# Allegro board pc069b_toplevel_18.brd (continued)
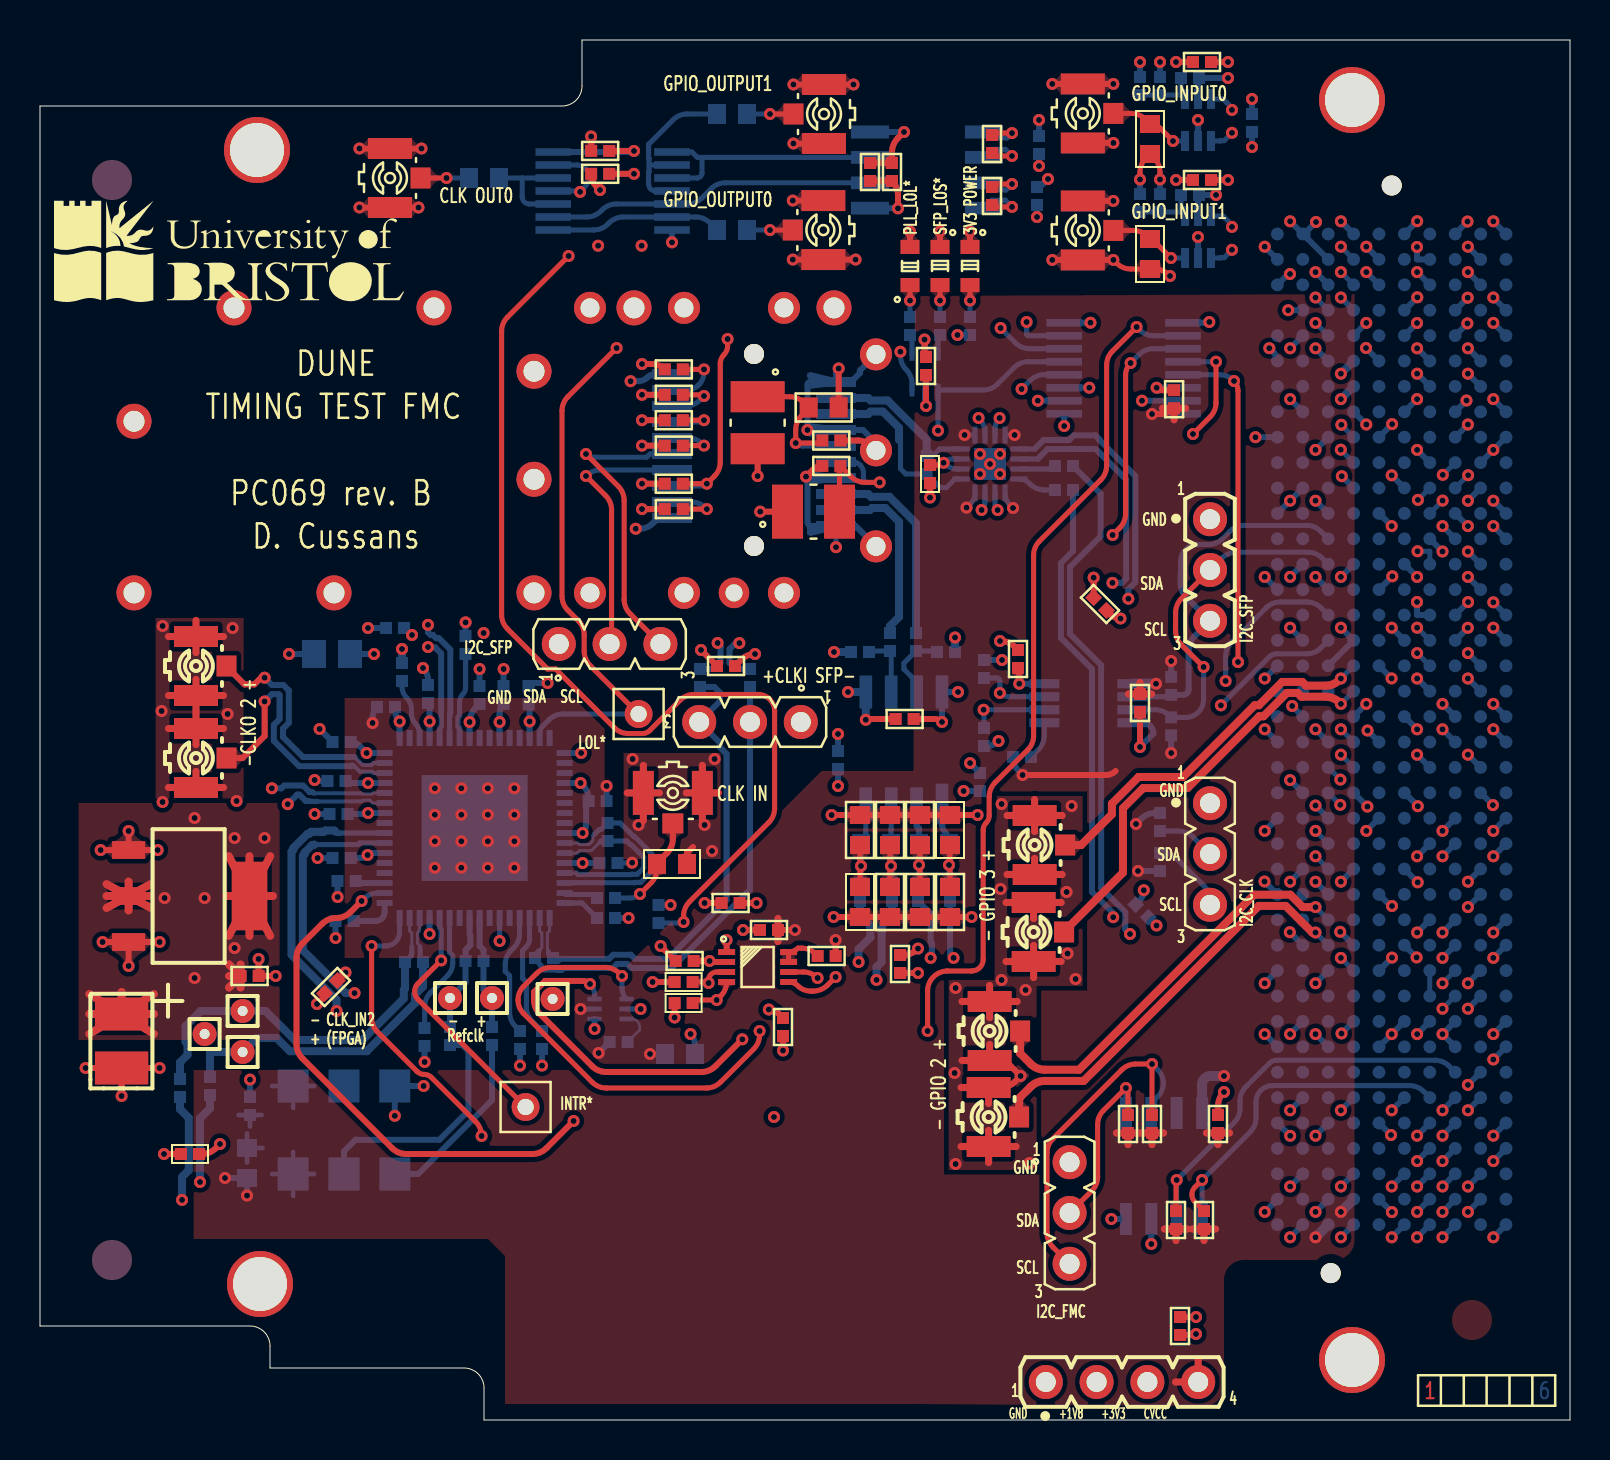
[diagram p0: board, top side]
## Footprints (pads in the part's own frame, mm; a bottom-side part is the same pattern mirrored in y, then rotated) (continued)
  round 0 smd: K4(20.955,-5.715)
SC70_6L
  rect 0.254x0.635 smd: 1(0,0) 2(0.65,0) 3(1.3,0) 4(1.3,1.78) 5(0.65,1.78) 6(0,1.78)
SOIC8
  rect 0.635x2.032 smd: 1(0,0)
  rect 0.635x1.651 smd: 2(1.27,0) 3(2.54,0) 4(3.81,0) 5(3.81,5.6) 6(2.54,5.6) 7(1.27,5.6) 8(0,5.6)
SOIC8S_127
  rect 0.635x1.905 smd: 1(0,0) 2(1.27,0) 3(2.54,0) 4(3.81,0) 5(3.81,5.7) 6(2.54,5.7) 7(1.27,5.7) 8(0,5.7)
SOIC127P600X175-8N
  rect 1.6x0.6 smd: 1(-2.65,1.905) 2(-2.65,0.635) 3(-2.65,-0.635) 4(-2.65,-1.905) 5(2.65,-1.905) 6(2.65,-0.635) 7(2.65,0.635) 8(2.65,1.905)
SOP50P310X90-8N
  rect 0.85x0.3 smd: 1(-1.55,0.75) 2(-1.55,0.25) 3(-1.55,-0.25) 4(-1.55,-0.75) 5(1.55,-0.75) 6(1.55,-0.25) 7(1.55,0.25) 8(1.55,0.75)
SOP65P210X110-6N
  rect 1x0.4 smd: 1(-1.05,0.65) 2(-1.05,0) 3(-1.05,-0.65) 4(1.05,-0.65) 5(1.05,0) 6(1.05,0.65)
SOP65P490X110-8N
  rect 1.5x0.45 smd: 1(-2.2,0.975) 2(-2.2,0.325) 3(-2.2,-0.325) 4(-2.2,-0.975) 5(2.2,-0.975) 6(2.2,-0.325) 7(2.2,0.325) 8(2.2,0.975)
SOT223
  rect 0.889x1.651 smd: 1(4.597,0) 2(2.299,0) 3(0,0)
  rect 3.429x1.778 smd: 4(2.299,-6.045)
SOT_DRL_TEX
  rect 0.711x0.229 smd: 1(-0.8,0.5) 2(-0.8,0) 3(-0.8,-0.5) 4(0.8,-0.5) 5(0.8,0) 6(0.8,0.5)
TP_HOLE_05
  round 1.2 hole 0.5: 1(0,0)
TP_HOLE_08
  round 1.397 hole 0.813: 1(0,0)
TSSOP14MA_065
  rect 0.381x1.778 smd: 1(0,0) 2(0.65,0) 3(1.3,0) 4(1.95,0) 5(2.6,0) 6(3.25,0) 7(3.9,0) 8(3.9,5.94) 9(3.25,5.94) 10(2.6,5.94) 11(1.95,5.94) 12(1.3,5.94) 13(0.65,5.94) 14(0,5.94)
TSSOP16MA_065
  rect 0.381x1.778 smd: 1(0,0) 2(0.65,0) 3(1.3,0) 4(1.95,0) 5(2.6,0) 6(3.25,0) 7(3.9,0) 8(4.55,0) 9(4.55,5.94) 10(3.9,5.94) 11(3.25,5.94) 12(2.6,5.94) 13(1.95,5.94) 14(1.3,5.94) 15(0.65,5.94) 16(0,5.94)
TYCO_1888247-1
  round 1 hole 1.4 unplated: (0,-4.8) (0,4.8)
  rect 2x0.5 smd: 1(-4.1,3.4) 2(-4.1,2.6) 3(-4.1,1.8) 4(-4.1,1) 5(-4.1,0.2) 6(-4.1,-0.6) 7(-4.1,-1.4) 8(-4.1,-2.2) 9(-4.1,-3) 10(-4.1,-3.8) 11(4.1,-3.4) 12(4.1,-2.6) 13(4.1,-1.8) 14(4.1,-1) 15(4.1,-0.2) 16(4.1,0.6) 17(4.1,1.4) 18(4.1,2.2) 19(4.1,3) 20(4.1,3.8)
unnamed#2
  round 3.302 hole 2.7: (0,0)

## Nets
AVDD: C10.2(B<0>) L3.2(B<0>) QZ1.1 QZ1.6
GND: C3.2(B<0>) C4.2(B<0>) C5.2(B<0>) C6.2(B<0>) C9.1 C10.1 C11.1 C12.2(B<0>) C13.1 C14.1 C15.1 C16.1 C17.1 C18.1 C19.1 C20.1 C26.1 C29.1 C30.1 C31.1 C32.1 C33.1 C34.1 C35.1 C36.1 C37.1 C40.1 C41.1 C42.1 C45.1 C46.1 C47.1 C48.1 C49.1 C52.1 C53.1 C55.2(B<0>) C56.2(B<0>) C57.1 C58.1 C59.1 C60.1 C61.1 C62.1 C63.1 C64.1 C69.1 C70.1 C71.1 C72.1 C107.1 C117.1 IC1.1 IC2.3 IC2.4(VSS) IC3.65 IC4.6 IC4.7 IC4.14 IC4.15 IC4.17 IC6.2(VEE) IC7.2(VEE) IC8.5 IC9.7 IC10.3 IC10.8 IC10.9 IC10.14 IC10.15 IC11.2 IC11.4 IC15.4 IC18.2 J2.2 J2.3 J3.1 J4.1 J4.10 J4.11 J4.14 J4.17 J4.20(VEET3) J5.1 J6.1 J7.2 J7.3 J8.1 J10.1 J11.1 J12.2 J12.3 J13.2 J13.3 J14.2 J14.3 J15.2 J15.3 LD2.2(B) LD3.2(B) P1.A1 P1.A4 P1.A5 P1.A8 P1.A9 P1.A12 P1.A13 P1.A16 P1.A17 P1.A20 P1.A21 P1.A24 P1.A25 P1.A28 P1.A29 P1.A32 P1.A33 P1.A36 P1.A37 P1.A40 P1.B2 P1.B3 P1.B6 P1.B7 P1.B10 P1.B11 P1.B14 P1.B15 P1.B18 P1.B19 P1.B22 P1.B23 P1.B26 P1.B27 P1.B30 P1.B31 P1.B34 P1.B35 P1.B38 P1.B39 P1.C1 P1.C4 P1.C5 P1.C8 P1.C9 P1.C12 P1.C13 P1.C16 P1.C17 P1.C20 P1.C21 P1.C24 P1.C25 P1.C28 P1.C29 P1.C32 P1.C33 P1.C36 P1.C38 P1.C40 P1.D2 P1.D3 P1.D6 P1.D7 P1.D10 P1.D13 P1.D16 P1.D19 P1.D22 P1.D25 P1.D28 P1.D37 P1.D39 P1.E1 P1.E4 P1.E5 P1.E8 P1.E11 P1.E14 P1.E17 P1.E20 P1.E23 P1.E26 P1.E29 P1.E32 P1.E35 P1.E38 P1.E40 P1.F2 P1.F3 P1.F6 P1.F9 P1.F12 P1.F15 P1.F18 P1.F21 P1.F24 P1.F27 P1.F30 P1.F33 P1.F36 P1.F39 P1.G1 P1.G4 P1.G5 P1.G8 P1.G11 P1.G14 P1.G17 P1.G20 P1.G23 P1.G26 P1.G29 P1.G32 P1.G35 P1.G38 P1.G40 P1.H2 P1.H3 P1.H6 P1.H9 P1.H12 P1.H15 P1.H18 P1.H21 P1.H24 P1.H27 P1.H30 P1.H33 P1.H36 P1.H39 P1.J1 P1.J4 P1.J5 P1.J8 P1.J11 P1.J14 P1.J17 P1.J20 P1.J23 P1.J26 P1.J29 P1.J32 P1.J35 P1.J38 P1.J40 P1.K2 P1.K3 P1.K6 P1.K9(K<9>) P1.K12 P1.K15 P1.K18 P1.K21 P1.K24 P1.K27 P1.K30 P1.K33 P1.K36 P1.K39 PX1.2 PX1.3 PX2.2 PX2.3 PX3.2 PX3.3 PX4.2 PX4.3 PX5.2 PX5.3 PX6.2 PX6.3 QZ1.3 R5.1 R6.1 R10.2(B<0>) R12.1 R17.1 R19.1 R20.2(B<0>) R21.2(B<0>) R27.1 R30.1 R31.1 R36.1 R38.1 R52.1 R54.1 R57.1 REG1.1 SFP1.1 SFP1.2 SFP1.3 SFP1.4 SFP1.5 SFP1.6 SFP1.7 SFP1.8 SFP1.9 SFP1.10 SFP1.11 SFP1.12 SFP1.13 SFP1.14 SFP1.15 SFP1.16 SFP1.17 SFP1.18 SFP1.19 SFP1.20 TP3.1(A<0>) TP6.1(A<0>) U1.5(VEE)
P1V8: C12.1 C13.2(B<0>) C14.2(B<0>) C19.2(B<0>) C20.2(B<0>) C117.2(B<0>) IC1.2 IC3.32 IC3.46 IC3.60 J11.2 R13.2(B<0>) R16.2(B<0>) R40.1 R41.1 REG1.2(OUT) REG1.4
P3V3: C3.1 C4.1 C5.1 C6.1 C9.2(B<0>) C15.2(B<0>) C29.2(B<0>) C30.2(B<0>) C31.2(B<0>) C32.2(B<0>) C33.2(B<0>) C34.2(B<0>) C35.2(B<0>) C36.2(B<0>) C37.2(B<0>) C40.2(B<0>) C41.2(B<0>) C45.2(B<0>) C46.2(B<0>) C47.2(B<0>) C48.2(B<0>) C49.2(B<0>) C55.1 C56.1 C57.2(B<0>) C58.2(B<0>) C59.2(B<0>) C60.2(B<0>) C69.2(B<0>) C70.2(B<0>) C71.2(B<0>) C72.2(B<0>) C107.2(B<0>) IC3.13 IC3.22 IC3.26 IC3.29 IC3.33 IC3.36 IC3.40 IC3.43 IC3.49 IC3.52 IC3.57 IC6.5 IC7.5 IC8.8 IC9.14 IC10.1 IC10.2 IC15.8(VCCB) IC18.5 J11.3 L1.2(B<0>) L2.1 LD1.1 P1.C39 P1.D36 P1.D38 P1.D40 R4.2(B<0>) R22.1 R23.1 R24.2(B<0>) R25.2(B<0>) R28.1 R29.1 R34.2(B<0>) R35.2(B<0>) R37.2(B<0>) R53.2(B<0>) R55.2(B<0>) R56.2(B<0>) R140.1 R411.1 REG1.3 U1.8
P12V: P1.C35 P1.C37
C2M_SFP_DATA_N: C8.1 P1.G22
C2M_SFP_DATA_P: C1.1 P1.G21
CLK0_C2M_N: C28.1 P1.G7
CLK0_C2M_P: C22.1 P1.G6
CLK0_M2C_N: IC3.27 P1.H5
CLK0_M2C_P: IC3.28 P1.H4
CLK1_M2C_N: IC3.37 P1.G3
CLK1_M2C_P: IC3.38 P1.G2
CLK_I2C_SEL: IC3.39 R13.1
CLK_IN0_N: C26.2(B<0>) IC3.64
CLK_IN0_P: C23.2(B<0>) IC3.63
CLK_IN1_N: C27.2(B<0>) IC3.2 J3.2 R11.1
CLK_IN1_P: C24.2(B<0>) IC3.1 J3.3(A<2>) R11.2(B<0>)
CLK_IN2_N: C28.2(B<0>) IC3.15 R8.2(B<0>) TP5.1(A<0>)
CLK_IN2_P: C22.2(B<0>) IC3.14 R8.1 TP4.1(A<0>)
CLK_OE*: IC3.11 R10.1
CLK_RSTB: IC3.6 IC10.7 R16.1
CLK_SCL: IC1.3 IC3.16 R41.2(B<0>)
CLK_SDA: IC1.4 IC3.18 R40.2(B<0>)
CTRLVCC: P1.D32
CVCC: C16.2(B<0>) C17.2(B<0>) C18.2(B<0>) C42.2(B<0>) C61.2(B<0>) IC2.8 IC4.5 IC4.8 IC4.13 IC4.16 IC10.16 IC11.5(V+) IC15.1 J11.4(A<3>) L3.1 P1.G39 P1.H40 R1.2(B<0>) R39.2(B<0>) R42.2(B<0>) R43.2(B<0>) R61.2(B<0>) R103.2(B<0>) R138.2(B<0>) R142.2(B<0>) R143.2(B<0>) R242.2(B<0>) R1328.2(B<0>)
F_GPIO_OUT0_N: IC8.4 P1.G10 R45.1
F_GPIO_OUT0_P: IC8.3 P1.G9 R45.2(B<0>)
F_GPIO_OUT1_N: IC8.1 P1.H23 R46.1
F_GPIO_OUT1_P: IC8.2 P1.H22 R46.2(B<0>)
F_SFP_N: IC4.4 J4.12 R60.1
F_SFP_P: IC4.1 J4.13 R60.2(B<0>)
FMC_GA0: IC2.2 P1.C34 R138.1
FMC_GA1: IC2.1 P1.D35 R1328.1
FMC_SCL: IC2.6 IC11.1 J6.3(A<2>) P1.C30 R103.1
FMC_SDA: IC2.5 IC11.6 J6.2 P1.C31 R39.1
FPGA_CLK_RST: IC10.10 P1.G30
FPGA_CLK_SCL: IC1.6 J8.3(A<2>) P1.H16 R43.1
FPGA_CLK_SDA: IC1.5 J8.2 P1.H17 R242.1
FPGA_SFP_LOS: IC10.12 P1.D14
FPGA_SFP_SCL: IC15.2 J10.3(A<2>) P1.H13 R143.1
FPGA_SFP_SDA: IC15.3 J10.2 P1.H14 R142.1
FPGA_SFP_TX_DIS: IC10.11 P1.D17
FPGA_SFP_TX_FLT: IC10.13(1B<0>) P1.D18
GPIO_IN0_N: IC6.6 P1.C11
GPIO_IN0_P: IC6.1 P1.C10
GPIO_IN1_N: IC7.6 P1.D12
GPIO_IN1_P: IC7.1 P1.D11
GPIO_IO2_N: J7.1(A) P1.H29
GPIO_IO2_P: J2.1(A) P1.H28
GPIO_IO3_N: J15.1(A) P1.G19
GPIO_IO3_P: J14.1(A) P1.G18
IN_SEL0: IC3.3 R17.2(B<0>)
IN_SEL1: IC3.4 R19.2(B<0>)
M2C_SFP_DATA_N: P1.H26 R59.2(B<0>)
M2C_SFP_DATA_P: P1.H25 R58.2(B<0>)
OSC_CLK_N: C25.2(B<0>) IC3.9(XB) R7.2(B<0>) TP2.1(A<0>)
OSC_CLK_P: C21.2(B<0>) IC3.8 R7.1 TP1.1(A<0>)
PLL_INTR*: IC3.12 TP9.1(A<0>)
PLL_LOL*: IC3.47 IC18.3 TP10.1(A<0>)
PLL_ZDM_CLK_N: IC3.58 IC3.62 R18.1
PLL_ZDM_CLK_P: IC3.59 IC3.61 R18.2(B<0>)
S_CLK_IN: C23.1 PX1.1(A) R27.2(B<0>)
S_GPIO_IN0: IC6.3 PX2.1(A) R30.2(B<0>)
S_GPIO_IN1: IC7.3 PX3.1(A) R31.2(B<0>)
SFP2PLL_DATA_N: C27.1 IC4.9
SFP2PLL_DATA_P: C24.1 IC4.10
SFP_LOS: IC10.5 IC18.1 J4.8 R23.2(B<0>)
SFP_SCL: IC15.7 J4.5 J5.3(A<2>) R411.2(B<0>)
SFP_SDA: IC15.6 J4.4 J5.2 R140.2(B<0>)
SFP_TX_DISABLE: IC10.6 J4.3 R28.2(B<0>)
SFP_TX_FAULT: IC10.4 J4.2 R29.2(B<0>)
T_DIFF_UFL_CLK_N: IC3.30 J13.1(A)
T_DIFF_UFL_CLK_P: IC3.31 J12.1(A)
T_FFD_CLK_N: C38.1 IC3.23
T_FFD_CLK_P: C7.1 IC3.24
T_MCX_CLK0: IC9.11 IC9.13 R26.2(B<0>)
T_SFP_N: C2.2(B<0>) J4.19
T_SFP_P: C39.2(B<0>) J4.18
UNNAMED_2_CON400P40ABCDEFGHJK_I: P1.D30 P1.D31
UNNAMED_2_PCA9306_I276_EN: IC1.7(VREF2) IC1.8 R1.1
UNNAMED_2_PCA9517_I162_EN: IC15.5 R42.1
UNNAMED_2_RSMD0402_I314_A: IC11.3 R61.1
UNNAMED_3_CAPCERSMDCL2_I325_B: C1.2(B<0>) R2.1 R4.1 R12.2(B<0>) U1.1
UNNAMED_3_CAPCERSMDCL2_I331_A: C2.1 R5.2(B<0>) U1.6
UNNAMED_3_CAPCERSMDCL2_I332_A: C39.1 R6.2(B<0>) U1.7
UNNAMED_3_CAPCERSMDCL2_I337_B: C8.2(B<0>) R2.2(B<0>) R53.1 R54.2(B<0>) U1.2
UNNAMED_3_CAPCERSMDCL2_I346_B: C38.2(B<0>) R3.1 R55.1 R57.2(B<0>) U1.4
UNNAMED_3_CAPCERSMDCL2_I349_B: C7.2(B<0>) R3.2(B<0>) R34.1 R52.2(B<0>) U1.3
UNNAMED_4_CAPCERSMDCL2_I119_A: C21.1 QZ1.4(OUTP)
UNNAMED_4_CAPCERSMDCL2_I120_A: C25.1 QZ1.5
UNNAMED_4_RSMD0402_I49_A: IC3.17 R20.1
UNNAMED_4_RSMD0402_I50_A: IC3.19 R21.1
UNNAMED_4_RSMD0402_I123_A: IC3.35 R26.1
UNNAMED_5_74LCX04_I304_Y: IC9.10 IC9.12 R47.1
UNNAMED_5_74LCX04_I317_A: IC8.7(RO<0>) IC9.1 IC9.3
UNNAMED_5_74LCX04_I317_Y: IC9.2(Y*<0>) IC9.4 R49.1
UNNAMED_5_74LCX04_I323_A: IC8.6 IC9.5 IC9.9
UNNAMED_5_74LCX04_I323_Y: IC9.6 IC9.8 R48.1
UNNAMED_5_ADCMP604_I285_: C52.2(B<0>) IC6.4 R35.1 R36.2(B<0>)
UNNAMED_5_ADCMP604_I294_: C53.2(B<0>) IC7.4 R37.1 R38.2(B<0>)
UNNAMED_5_PCOAX_I312_A: PX4.1(A) R47.2(B<0>)
UNNAMED_5_PCOAX_I315_A: PX6.1(A) R49.2(B<0>)
UNNAMED_5_PCOAX_I321_A: PX5.1(A) R48.2(B<0>)
UNNAMED_11_CAPCERSMDCL2_I338_B: C11.2(B<0>) IC4.2(VT) IC4.3
UNNAMED_11_CON20PSFP_I175_MODDE: J4.6 R25.1
UNNAMED_11_CON20PSFP_I175_RATES: J4.7 R24.1
UNNAMED_11_CON20PSFP_I175_VCCR: C63.2(B<0>) C64.2(B<0>) J4.15 L1.1
UNNAMED_11_CON20PSFP_I175_VCCT: C62.2(B<0>) J4.16 L2.2(B<0>)
UNNAMED_11_CON20PSFP_I175_VEER: J4.9 R22.2(B<0>)
UNNAMED_11_LED1_I225_B: LD1.2(B) R50.1
UNNAMED_11_LED1_I226_A: LD2.1 R51.1
UNNAMED_11_LED1_I227_A: LD3.1 R56.1
UNNAMED_11_RSMD0402_I232_B: IC18.4(Y<0>) R50.2(B<0>)
UNNAMED_11_RSMD0402_I233_B: IC18.6 R51.2(B<0>)
UNNAMED_11_RSMD0402_I312_A: IC4.12 R58.1
UNNAMED_11_RSMD0402_I313_A: IC4.11 R59.1

Pads without a net: IC2 7; IC3 5 7 10 20 21 25 34 41 42 44 45 48 50 51 53 54 55 56; P1 A2 A3 A6 A7 A10 A11 A14 A15 A18 A19 A22 A23 A26 A27 A30 A31 A34 A35 A38 A39 B1 B4 B5 B8 B9 B12 B13 B16 B17 B20 B21 B24 B25 B28 B29 B32 B33 B36 B37 B40 C2 C3 C6 C7 C14 C15 C18 C19 C22 C23 C26 C27 D1 D4 D5 D8 D9 D15 D20 D21 D23 D24 D26 D27 D29 D33 D34 E2 E3 E6 E7 E9 E10 E12 E13 E15 E16 E18 E19 E21 E22 E24 E25 E27 E28 E30 E31 E33 E34 E36 E37 E39 F1 F4 F5 F7 F8 F10 F11 F13 F14 F16 F17 F19 F20 F22 F23 F25 F26 F28 F29 F31 F32 F34 F35 F37 F38 F40 G12 G13 G15 G16 G24 G25 G27 G28 G31 G33 G34 G36 G37 H1 H7 H8 H10 H11 H19 H20 H31 H32 H34 H35 H37 H38 J2 J3 J6 J7 J9 J10 J12 J13 J15 J16 J18 J19 J21 J22 J24 J25 J27 J28 J30 J31 J33 J34 J36 J37 J39 K1 K4 K5 K7 K8 K10 K11 K13 K14 K16 K17 K19 K20 K22 K23 K25 K26 K28 K29 K31 K32 K34 K35 K37 K38 K40; QZ1 2; SFP1 NC

## Via types
v1: diameter 0.6, hole 0.3, TOP to BOTTOM, 535 vias

## Routing (per net, layer and track width the routed paths; a pad name or vN(x,y) marks a point on that pad's centre or on a via; arc(x,y) is an arc through that point)
AVDD: length 11.5
  BOTTOM w0.227: 10.35,12.87 L3.2 ; L3.2 11.13,13.6 ; L3.2 10.35,14.33 ; 12.66,11.2 QZ1.6 ; QZ1.6 12.66,13.4 ; QZ1.6 11.61,12.3 ; QZ1.6 13.71,12.3 ; 12.66,15.6 QZ1.1 ; QZ1.1 11.61,16.7 ; QZ1.1 13.71,16.7 ; C10.2 11.08,15.25 ; C10.2 10.5,14.67 ; C10.2 9.92,15.25
GND: length 372
  TOP w0.25: v1(56.5,57.2) 56.44,57.26 arc(56.12,57.47) 55.74,57.55 R31.1 54.54,57.55 arc(54.15,57.63) 53.83,57.84 v1(53.67,58) ; v1(55,62.03) 55,62.39 arc(55.08,62.77) 55.29,63.09 R30.1 55.71,63.09 arc(55.92,62.77) 56,62.39 v1(56,62.03)
  TOP w0.3: R27.1 32.35,28.35 32.65,28.65 ; v1(38.3,47.17) 38.64,47.51 arc(38.86,47.65) C62.1 ; C58.1 C57.1 42.61,61.94 arc(42.82,61.62) 42.9,61.24 v1(42.9,60.58) ; REG1.1 v1(4.43,29.45) ; REG1.1 v1(3.03,28.5) ; REG1.1 v1(5.88,28.5) ; v1(28,61.5) 27.82,61.68 arc(27.63,61.97) C60.1 ; C72.1 14.23,21.18 v1(13.85,20.8) ; v1(37.67,66.78) PX6.3 v1(40.67,66.78) ; v1(50.61,66.8) PX2.2 v1(53.67,66.8) ; v1(15.97,60.62) PX4.3 v1(18.92,60.62) ; C56.2 v1(56.8,62) ; C17.1 v1(35.15,24.5) ; v1(10.93,23.05) C14.1 v1(11.78,22.2) ; C18.1 58.9,15.69 arc(58.98,16.07) 59.19,16.39 v1(59.2,16.4) ; PX2.3 v1(53.67,63.85) ; C63.1 40.89,48.97 arc(41.28,48.9) 41.6,48.68 SFP1.19 ; v1(40.78,58.02) PX5.2 v1(37.64,58.02) ; C11.1 v1(44.5,46.12) ; v1(48,38.95) 48.04,38.95 arc(48.42,38.87) 48.74,38.66 C107.1 ; v1(46.5,59.43) LD3.2 ; C30.1 v1(43.9,22.35) ; C6.2 v1(6.2,13.3) ; v1(55.83,51.62) 55.96,51.49 C61.1 ; v1(45,59.43) LD2.2 ; v1(44.3,50.7) C15.1 ; PX5.3 v1(37.64,60.97) ; v1(37.67,63.83) PX6.2 ; C37.1 36.93,20.32 arc(36.7,20.47) v1(36.44,20.52) ; v1(41.29,35.01) 41.33,35.05 C5.2 ; v1(39.68,25.15) R57.1 R52.1 R54.1 R12.1 v1(46.58,25.15) ; IC1.1 v1(34.33,24) ; C70.1 v1(33.23,25.85) ; C12.2 v1(4.08,16.2) ; C12.2 v1(2.28,17.6) ; C12.2 v1(5.98,17.6) ; v1(55,33.65) C16.1 ; v1(53.67,58) PX3.3 v1(50.61,58) ; v1(15.97,63.58) PX4.2 v1(19.07,63.58) ; C64.1 v1(39.93,52.58) ; C117.1 v1(31.03,23.7) ; v1(57.8,5.15) C9.1 ; C69.1 v1(33.05,38.5) ; PX3.2 v1(53.67,60.95) ; C55.2 v1(56.8,67.9) ; C59.1 v1(27.56,64.18) ; J7.2 48.04,16.62 arc(48.42,16.7) 48.75,16.92 v1(49.03,17.2) 48.55,17.68 arc(48.22,17.9) 47.84,17.98 J2.3 ; C29.1 53.51,40.29 arc(53.75,40.13) v1(54.03,40.07)
  TOP w0.354: 46.1,17.98 J2.3 47.48,18.78 ; 46.1,20.93 J2.2 ; J2.2 47.48,21.73 ; J2.2 48.86,20.93 ; J2.2 47.48,20.12 ; 7.8,38.37 J12.2 ; J12.2 6.42,39.17 ; J12.2 7.8,39.98 ; J12.2 9.18,39.17 ; 7.8,35.42 J12.3 ; J12.3 6.42,36.23 ; J12.3 9.18,36.23 ; J12.3 7.8,37.03 ; 33.12,29.98 PX1.2 ; PX1.2 32.31,31.36 ; PX1.2 33.12,32.73 ; PX1.2 33.92,31.36 ; 47.43,12.87 J7.3 ; J7.3 46.05,13.68 ; J7.3 48.81,13.68 ; J7.3 47.43,14.48 ; 49.68,25.07 J15.2 ; J15.2 48.3,25.88 ; J15.2 51.06,25.88 ; 7.8,33.77 J13.2 ; J13.2 9.18,34.58 ; J13.2 6.42,34.58 ; J13.2 7.8,35.38 ; PX1.3 30.97,31.36 ; PX1.3 30.17,29.98 ; PX1.3 30.17,32.73 ; PX1.3 29.36,31.36 ; 48.35,30.23 J14.2 ; J14.2 49.73,29.42 ; J14.2 49.73,31.03 ; J14.2 51.11,30.23 ; 46.05,16.62 J7.2 47.43,15.82 ; J13.3 9.18,31.62 ; J13.3 7.8,32.43 ; J13.3 6.42,31.62 ; 48.35,27.27 J14.3 ; J14.3 49.73,28.08 ; J14.3 51.11,27.27 ; 48.3,22.93 J15.3 ; J15.3 49.68,22.12 ; J15.3 49.68,23.73 ; J15.3 51.06,22.93
  BOTTOM w0.25: v1(29.61,27.86) 29.59,27.85 C13.1
  BOTTOM w0.254: IC11.2 v1(30.03,20.55) ; IC4.6 47.25,49.37 arc(47.17,49.75) 46.96,50.07 ; v1(47.88,45.5) 47.75,45.63 IC4.14 ; IC4.7 47.75,49.54 arc(47.81,49.85) v1(47.98,50.1) ; J4.20 v1(39.8,43.64) ; IC4.15 47.25,45.91 arc(47.21,45.69) v1(47.08,45.5)
  BOTTOM w0.3: P1.C33 v1(70.12,19.3) P1.C32 ; v1(67.6,25.7) 67.53,25.7 P1.F27 ; P1.H27 v1(63.77,26.91) ; P1.H30 v1(63.77,21.84) ; P1.G8 v1(66.31,49.77) ; R20.2 v1(14.78,24.1) ; C42.1 32.75,18.76 arc(32.69,19.05) v1(32.53,19.3) ; P1.F15 v1(67.61,42.19) ; P1.E35 v1(67.58,15.48) ; P1.G23 v1(66.37,30.67) ; IC2.3 v1(55.56,8.8) ; P1.C40 v1(70.12,9.13) ; P1.H3 v1(63.77,57.4) ; P1.C21 v1(70.12,34.53) ; P1.K36 v1(62.51,14.21) ; P1.B27 v1(71.39,25.64) ; R17.1 v1(25.1,17.72) ; v1(61.47,53.59) 61.7,53.36 arc(61.83,53.17) P1.K6 ; P1.E38 v1(67.58,11.68) ; J4.11 39.8,52.44 v1(39.93,52.58) ; J4.11 38.5,51.9 arc(38.41,51.86) 38.37,51.78 v1(38.37,49.5) J4.14 41.15,49.5 41.8,48.85 SFP1.19 ; J4.11 40.55,51.9 41,52.35 41,52.48 41.8,53.28 ; P1.A32 v1(72.66,19.3) ; P1.D7 v1(68.85,52.31) ; P1.J17 v1(62.5,39.62) ; P1.E23 v1(68.89,30.69) ; P1.B3 v1(71.39,57.4) ; v1(44.3,50.7) 44.25,50.75 IC18.2 ; P1.F24 v1(66.31,29.45) ; v1(65.04,39.62) P1.G17 P1.H18 ; R36.1 v1(55,67.9) ; P1.F2 v1(66.31,58.66) ; P1.B26 v1(71.39,26.91) ; v1(71.38,59.92) 70.75,59.3 P1.C1 ; IC7.2 v1(57.9,59.15) ; C41.1 v1(16.4,39.6) ; P1.J14 v1(62.5,42.16) ; P1.F39 v1(67.59,10.39) ; P1.E20 v1(68.85,34.53) ; 57.15,51.62 v1(55.83,51.62) ; P1.A5 v1(72.66,54.85) ; P1.A20 v1(72.66,35.8) ; P1.C20 v1(70.12,35.8) ; P1.B23 v1(72.64,30.75) ; v1(71.39,49.77) P1.C9 ; P1.G11 v1(65.09,47.19) ; P1.H12 v1(63.77,45.97) ; P1.E40 v1(67.58,9.13) ; R19.1 v1(24,17.72) ; P1.A29 v1(72.66,23.11) ; J4.10 30.79,52.3 arc(30.55,52.25) 30.35,52.12 arc(30.16,51.99) 29.92,51.94 v1(29.53,51.94) ; P1.C17 v1(71.39,39.61) ; P1.E1 v1(68.86,59.94) ; P1.B7 v1(71.39,52.31) ; v1(62.5,57.3) 62.41,57.3 P1.K3 ; P1.C4 v1(71.38,56.12) ; v1(50.4,62.05) 50,61.65 C34.1 ; IC15.4 55.14,34.86 arc(55.51,34.71) 55.67,34.33 55.67,34.32 v1(55,33.65) ; P1.H39 v1(63.77,10.41) ; P1.H6 v1(63.77,53.59) ; J4.1 31.28,45.1 arc(30.93,45.03) 30.63,44.83 arc(30.33,44.63) 29.98,44.56 v1(29.79,44.56) ; P1.K24 v1(61.23,29.45) ; P1.G20 v1(66.31,35.8) ; C49.1 v1(13.88,28.1) ; v1(58.46,54.9) 58.43,54.87 IC10.9 ; P1.B10 v1(72.66,48.51) P1.A9 ; P1.B18 v1(71.39,38.34) ; C35.1 v1(12.45,38.3) ; P1.B38 v1(71.39,11.68) ; P1.D16 68.87,40.25 arc(68.85,40.25) 68.85,40.27 v1(68.85,40.9) ; P1.K27 v1(61.22,26.93) ; IC8.5 42.89,60.59 v1(42.9,60.58) ; C47.1 v1(28.33,31.7) ; P1.H36 v1(63.77,14.21) ; C33.1 v1(49.95,62.7) ; P1.D13 v1(70.12,43.42) ; P1.E14 v1(68.85,42.16) ; P1.G5 v1(66.31,54.85) ; P1.D6 v1(68.85,53.59) ; P1.B31 v1(71.39,20.57) ; C20.1 v1(13.98,34.55) ; P1.D2 68.87,58.03 arc(68.85,58.03) 68.85,58.05 v1(68.85,58.65) ; P1.J4 v1(62.41,55.49) ; P1.H9 v1(63.77,48.51) ; P1.A1 v1(72.66,59.94) ; P1.A33 v1(72.66,18.02) ; v1(13.73,32) 13.78,31.95 C46.1 ; v1(68.83,23.13) P1.E29 ; P1.F9 v1(67.6,49.8) ; C32.1 v1(21.98,37.55) ; P1.C13 v1(70.12,44.7) ; P1.B11 v1(71.39,45.97) ; J4.17 38.44,47.1 38.38,47.04 ; P1.B15 v1(71.39,42.16) ; P1.J23 v1(62.5,32) ; P1.G32 v1(65.07,19.32) ; P1.D37 v1(68.85,12.95) ; v1(17.74,15.21) QZ1.3 v1(19.18,16.7) ; C3.2 v1(46.18,31.45) ; P1.K33 v1(61.23,19.3) ; P1.A21 v1(72.66,34.53) ; 41.8,43.68 40.78,44.7 J4.20 38.55,44.7 arc(38.43,44.75) 38.38,44.87 38.38,47.04 ; 38.38,47.04 38.3,47.12 v1(38.3,47.17) ; IC2.4 v1(53.57,10.05) ; C53.1 v1(56,62.03) ; P1.K2 v1(61.23,58.66) ; P1.G29 v1(65.01,24.41) ; P1.H33 v1(63.77,19.3) ; v1(72.66,44.7) P1.A13 ; P1.G38 v1(65.04,11.68) ; P1.G35 v1(65.04,15.48) ; P1.K30 v1(61.23,21.84) ; P1.J32 v1(62.5,19.3) ; IC10.15 v1(55.1,50.97) ; P1.D22 v1(68.85,33.27) ; C4.2 v1(39.9,31.7) ; P1.A12 v1(72.66,45.97) ; P1.J5 v1(62.5,53.59) ; P1.A37 v1(72.66,12.95) ; P1.C38 v1(70.12,11.68) ; C10.1 v1(10.5,17.02) ; P1.J8 v1(62.5,51.05) ; P1.G26 v1(65.04,26.91) ; C52.1 v1(56,67.9) ; P1.D19 v1(68.85,37.08) ; P1.J20 v1(62.61,35.7) ; P1.G4 v1(65.04,56.12) ; IC11.4 v1(27.73,19.55) ; P1.F12 v1(67.58,44.7) ; P1.K12 v1(62.5,45.97) P1.J11 ; P1.H2 63.37,59.07 63.37,59.47 v1(63.8,59.9) ; P1.G1 v1(65.04,59.94) ; P1.J40 v1(62.5,9.13) ; P1.E5 v1(68.85,54.85) ; P1.G40 v1(65.04,9.13) ; P1.K21 v1(61.23,34.53) ; P1.F3 v1(66.31,57.4) ; v1(31.6,58.88) IC9.7 ; P1.K9 v1(60.77,49.14) ; C71.1 54.97,25.95 arc(55.13,26.2) v1(55.19,26.49) ; C40.1 19.4,37 arc(19.34,37.32) v1(19.15,37.6) ; 46.96,50.07 v1(46.93,50.1) ; P1.H15 v1(63.77,42.16) ; P1.J1 v1(62.5,59.94) ; P1.J26 v1(62.5,26.91) ; P1.E26 v1(68.88,26.89) ; P1.D3 v1(68.85,57.4) ; R21.2 v1(14.88,26.15) ; IC10.8 v1(52.52,54.87) ; C48.1 v1(13.73,30.3) ; P1.F30 v1(67.6,23.12) ; P1.H21 v1(63.77,34.53) ; P1.J38 v1(62.5,11.68) ; P1.E17 v1(67.58,39.62) ; P1.A8 v1(72.66,51.05) ; P1.D10 v1(68.85,48.51) ; P1.C29 v1(70.12,23.11) ; P1.E32 v1(67.58,19.3) P1.F33 ; P1.E11 v1(67.58,47.23) ; P1.C24 v1(70.12,29.45) ; v1(66.38,34.48) P1.F21 ; P1.F6 v1(66.3,53.6) ; v1(71.39,15.48) P1.B35 ; P1.D28 v1(68.85,24.38) ; P1.C25 v1(70.12,28.18) ; P1.F18 v1(67.58,37.08) ; v1(16.63,34.85) 16.63,35.12 arc(16.69,35.41) C31.1 ; P1.B2 v1(71.39,58.66) ; P1.B14 v1(71.39,43.42) ; v1(71.39,10.41) P1.B39 ; P1.J35 v1(62.5,15.48) ; P1.C16 v1(71.41,40.9) ; P1.H24 v1(63.77,30.73) ; v1(25.38,36.85) 24.79,36.85 arc(24.6,36.81) C19.1 ; P1.K39 v1(61.23,10.41) ; P1.D39 v1(68.85,10.41) ; P1.B6 v1(71.39,53.59) ; P1.J29 v1(62.49,24.39) ; P1.A17 v1(72.66,39.62) ; P1.B22 v1(71.39,33.27) ; C36.1 v1(60.6,63.65) ; P1.C12 v1(71.39,44.7) ; 51.21,51.62 v1(52.46,51.62) ; P1.F36 v1(67.55,14.25) ; P1.C28 v1(70.12,24.38) ; C26.1 v1(29.43,25.1) ; IC6.2 v1(57.9,65) ; P1.K15 v1(61.23,42.16) ; P1.E4 v1(68.86,56.13) ; P1.E8 v1(68.85,51.05) ; P1.G14 v1(65.04,42.16) ; P1.D25 v1(68.85,28.18) ; P1.B34 v1(71.39,16.76) ; P1.A36 v1(72.66,14.21) ; P1.A28 v1(72.66,24.38) ; R10.2 v1(19.23,17.9) ; P1.C8 v1(71.32,50.98) ; P1.A16 v1(72.66,40.88) ; v1(71.39,21.84) P1.B30 ; P1.C36 v1(70.12,14.21) ; P1.A25 v1(72.66,28.18) ; R38.1 v1(55,62.03) ; P1.C5 v1(71.37,54.83) ; P1.A24 v1(72.66,29.45) ; P1.A4 v1(72.66,56.12) ; P1.K18 v1(61.23,37.08) ; C45.1 v1(23.18,37.55) ; v1(72.66,9.13) P1.A40 ; P1.B19 v1(71.39,37.08)
  BOTTOM w0.354: 38.52,46.94 J4.17 38.52,47.26 ; 38.52,44.38 J4.20 38.52,44.54 ; 38.52,52.22 J4.11 38.52,51.74 ; 38.52,49.34 J4.14 38.52,49.66
  BOTTOM w0.4: R5.1 v1(39.7,38.4) ; v1(40.4,36.4) U1.5 v1(41.29,35.01) ; R6.1 v1(45.75,39.13)
  vias: v1(6.13,39.7) v1(6.08,35.45) v1(6.13,30.9) v1(9.38,35.3) v1(9.63,39.6) v1(9.83,30.95) v1(19.74,31.59) v1(19.74,30.26) v1(19.74,28.94) v1(19.74,27.61) v1(21.07,31.59) v1(21.07,30.26) v1(21.07,28.94) v1(21.07,27.61) v1(22.39,31.59) v1(22.39,30.26) v1(22.39,28.94) v1(22.39,27.61) v1(23.72,31.59) v1(23.72,30.26) v1(23.72,28.94) v1(23.72,27.61) v1(27.91,58.71) v1(29.63,33.05) v1(29.93,29.75) v1(30.08,58.71) v1(33.23,29.75) v1(33.6,28.45) v1(33.73,33.05) v1(45.73,17.35) v1(45.78,21.6) v1(45.78,12.8) v1(47,48.3) v1(47,47.3) v1(47.5,47.8) v1(48,48.3) v1(48,47.3) v1(48.03,26.55) v1(48.08,30.8) v1(48.08,22) v1(49.28,21.5) v1(49.48,12.85) v1(51.33,26.4) v1(51.38,23.32) v1(51.58,30.7) v1(51.78,22.05)
P1V8: length 71
  TOP w0.3: R41.1 v1(30.63,21.9) ; C117.2 v1(33.48,22.95) 33.53,22.9 IC1.2 ; R40.1 v1(31.73,20.12)
  TOP w0.4: C12.1 5.69,21.3 ; C12.1 5.69,19.3 ; C12.1 2.47,19.3 ; C12.1 5.69,20.3 ; C12.1 4.08,21.4 ; C12.1 2.47,21.3 ; C12.1 2.47,20.3 ; 3.33,25.6 REG1.2 ; REG1.2 4.43,26.92 ; REG1.2 3.33,26.79 ; REG1.2 5.53,25.6 ; REG1.2 3.33,26.2 ; REG1.2 5.53,26.79 ; REG1.2 4.43,25.48 ; REG1.2 5.53,26.2 ; 9.31,26.2 REG1.4 ; REG1.4 9.44,28.19 ; REG1.4 10.48,28.19 ; REG1.4 11.51,24.21 ; REG1.4 9.44,24.21 ; REG1.4 11.64,26.2 ; REG1.4 10.48,24.21 ; REG1.4 11.51,28.19 ; 9.45,22.2 C14.2 ; C14.2 9.45,22.78 ; C14.2 9.45,21.62 ; C14.2 10.03,22.78 ; C14.2 10.03,21.62
  L3_SIGN w0.5: J11.2 39.87,14.86 arc(39.55,15.07) 39.17,15.15 v1(36.7,15.15)
  BOTTOM w0.3: R13.2 v1(21.28,39.88) ; C13.2 v1(27.13,27.85) IC3.60 ; IC3.46 v1(24.48,34.93) 24.48,35.75 C19.2 ; IC3.32 v1(16.33,33.35) 15.96,33.72 arc(15.76,33.85) C20.2 ; R16.2 v1(31.53,25.75)
  vias: v1(6.23,26.1) v1(7.73,30.1) v1(7.73,22.1) v1(8.23,26.1) v1(9.73,29.1) v1(9.73,23.6) v1(11.23,29.1)
P3V3: length 89.9
  TOP w0.3: C58.2 C57.2 42.6,63.39 arc(42.68,63.77) 42.89,64.09 v1(43.2,64.4) ; C72.2 v1(15.28,22.38) ; v1(44.23,54.02) 44.23,53.22 C15.2 ; R25.2 v1(30.1,48.72) ; REG1.3 v1(4.43,22.7) ; REG1.3 v1(3.13,23.9) ; REG1.3 v1(5.98,23.9) ; C70.2 v1(35.83,25.85) ; v1(9,13.8) 8.79,13.59 arc(8.47,13.38) 8.09,13.3 C6.1 ; v1(29.7,63.45) C59.2 ; v1(46.88,30.25) R4.2 R53.2 R34.2 R55.2 v1(39.58,30.25) ; C107.2 48.96,37.54 v1(48.96,36.81) ; C55.1 v1(59.4,67.9) ; R28.1 v1(30.1,46.81) ; v1(30.1,52.8) 30.59,52.8 arc(30.94,52.73) R22.1 ; R24.2 v1(30.1,49.99) ; C56.1 v1(59.4,62) ; L1.2 v1(35.88,47.2) ; v1(43.9,23.57) 43.87,23.54 arc(43.55,23.33) 43.16,23.25 C30.2 ; C29.2 v1(52.68,42.12) ; L2.1 v1(36.01,45.42) ; C5.1 44.74,35.05 arc(44.93,35.01) v1(45.1,34.9) ; C69.2 35.07,38.02 arc(35.38,38.23) v1(35.75,38.3) ; C60.2 v1(29.7,62.31) ; LD1.1 v1(43.5,59.43) ; C37.2 v1(37.15,18.47) ; v1(57.8,4.3) 57.75,4.25 C9.2 ; R23.1 v1(30.1,51.26) ; R29.1 v1(30.1,45.55)
  L5_PWR w0.4: J11.3 55.37,3.03 ; J11.3 54.24,1.9 ; J11.3 56.5,1.9
  BOTTOM w0.3: IC3.43 v1(22.98,34.9) 22.98,35.32 arc(23.03,35.58) C45.2 ; IC3.52 v1(27.03,31.85) 27.14,31.74 arc(27.35,31.42) 27.43,31.04 C47.2 27.3,30.82 27.3,29.77 arc(27.26,29.54) v1(27.13,29.35) IC3.57 ; IC3.33 v1(17.98,34.93) arc(17.81,35.18) 17.75,35.48 C31.2 ; v1(59.4,67.1) R35.2 57.9,67.05 IC6.5 ; v1(18.6,39.25) 18.55,39.25 C41.2 ; IC3.13 v1(19.48,24.3) ; IC7.5 57.9,61.2 R37.2 v1(58.8,61.25) ; C40.2 19.48,35.77 v1(19.48,34.93) IC3.36 ; C71.2 v1(55.83,24.72) ; 50.21,36.81 v1(48.96,36.81) ; IC3.22 16.48,28.35 v1(16.38,28.25) arc(16.21,28.14) 16.02,28.1 C49.2 ; IC8.8 v1(43.2,64.4) ; C35.2 v1(16.7,38.3) ; C33.2 v1(49.95,65) ; C46.2 15.38,31.85 v1(16.4,31.85) IC3.29 ; P1.C39 v1(70.12,10.41) ; P1.D40 v1(68.85,9.13) ; P1.D38 v1(68.85,11.68) ; IC9.14 29.65,63.4 v1(29.7,63.45) ; v1(44.23,54.02) 44.25,54 IC18.5 ; C36.2 v1(60.6,66.05) ; C34.2 v1(49.85,60.15) ; R140.1 47.32,33.7 arc(47.65,33.76) v1(47.93,33.95) ; IC3.49 v1(27.06,33.35) ; IC10.2 v1(49.89,50.97) ; v1(45.9,36.4) U1.8 v1(45.1,34.9) ; C32.2 21.76,35.58 arc(21.55,35.27) v1(21.48,34.9) IC3.40 ; R56.2 v1(45.87,54.25) ; IC10.1 v1(51.21,49.7) ; IC3.26 v1(16.4,30.35) 16.35,30.3 C48.2 ; v1(48.1,38) R411.1 ; C4.1 v1(39.9,34.3) ; P1.D36 v1(68.85,14.21) ; C3.1 v1(46.5,32.85)
  vias: v1(22.18,39.35)
P12V: length 4.9
  L4_SIGN w0.3: v1(70.12,15.48) 70.64,14.97 arc(70.86,14.64) 70.93,14.26 70.93,14.17 arc(70.86,13.79) 70.64,13.46 v1(70.12,12.95)
  BOTTOM w0.3: P1.C35 v1(70.12,15.48) ; P1.C37 v1(70.12,12.95)
C2M_SFP_DATA_N: length 29.4
  L4_SIGN w0.3: v1(65.04,33.27) 64.91,33.4 59.77,33.4 58.33,31.97 58.03,31.97 57.96,31.9 55.73,31.9 46.36,22.53 45.48,22.53 45.47,22.53 45.44,22.53 45.22,22.75 44.89,22.75 v1(44.53,23.11)
  BOTTOM w0.254: P1.G22 v1(65.04,33.27)
  BOTTOM w0.3: v1(44.53,23.11) 44.53,23.31 44.6,23.38 44.6,23.86 44.53,23.92 44.53,25.32 C8.1
C2M_SFP_DATA_P: length 27.9
  L4_SIGN w0.3: v1(65.04,34.53) 64.47,33.96 59.54,33.96 58.1,32.52 57.8,32.52 57.73,32.45 55.5,32.45 46.13,23.08 45.7,23.08 v1(45.68,23.11)
  BOTTOM w0.254: P1.G21 v1(65.04,34.53)
  BOTTOM w0.3: v1(45.68,23.11) 45.5,23.28 C1.1
CLK0_C2M_N: length 92.2
  L4_SIGN w0.4: v1(7.1,11) 7.45,11 8.6,9.85 18.25,9.85 18.98,9.12 25.22,9.12 29.7,13.6 38.55,13.6 43.39,18.44 43.39,21.97 43.27,22.09 43.27,22.61 43.39,22.73 43.39,23.19 43.27,23.31 43.27,23.83 43.64,24.2 43.71,24.2 45.29,25.78 45.53,25.78 53.63,33.88 53.63,37.44 56.17,39.98 56.17,46.01 62.02,51.85 63.25,51.85 63.65,51.45 64.64,51.45 v1(65.04,51.05)
  BOTTOM w0.4: v1(7.1,11) 7.1,12.15 7.44,12.49 7.44,15.11 7,15.55 C28.1 ; P1.G7 v1(65.04,51.05)
CLK0_C2M_P: length 90.6
  L4_SIGN w0.4: v1(65.04,52.31) 64.83,52.1 63.92,52.1 63.52,52.51 61.75,52.51 55.52,46.28 55.52,40.25 52.98,37.71 52.98,34.15 45.26,26.43 45.02,26.43 43.44,24.85 43.37,24.85 42.62,24.1 42.62,23.04 42.65,23.01 42.65,22.91 42.62,22.88 42.62,21.82 42.74,21.7 42.74,18.71 38.28,14.25 29.43,14.25 24.95,9.77 19.25,9.77 18.52,10.5 8.87,10.5 8.08,11.29 8.08,11.82 v1(8,11.9)
  BOTTOM w0.4: C22.1 8.5,15.58 8,15.08 v1(8,11.9) ; P1.G6 v1(65.04,52.31)
